# Altium PCB 测试样板PCB.PcbDoc (part 1 of 5)
Units mil, origin at the board's own origin, x right, y up, seen from the top; angles counter-clockwise.
Board outline 3248.03 x 2802.03 mil, 2 copper layers (Top Layer, Bottom Layer); 76 components, 64 nets, 349 pads, 97 vias.
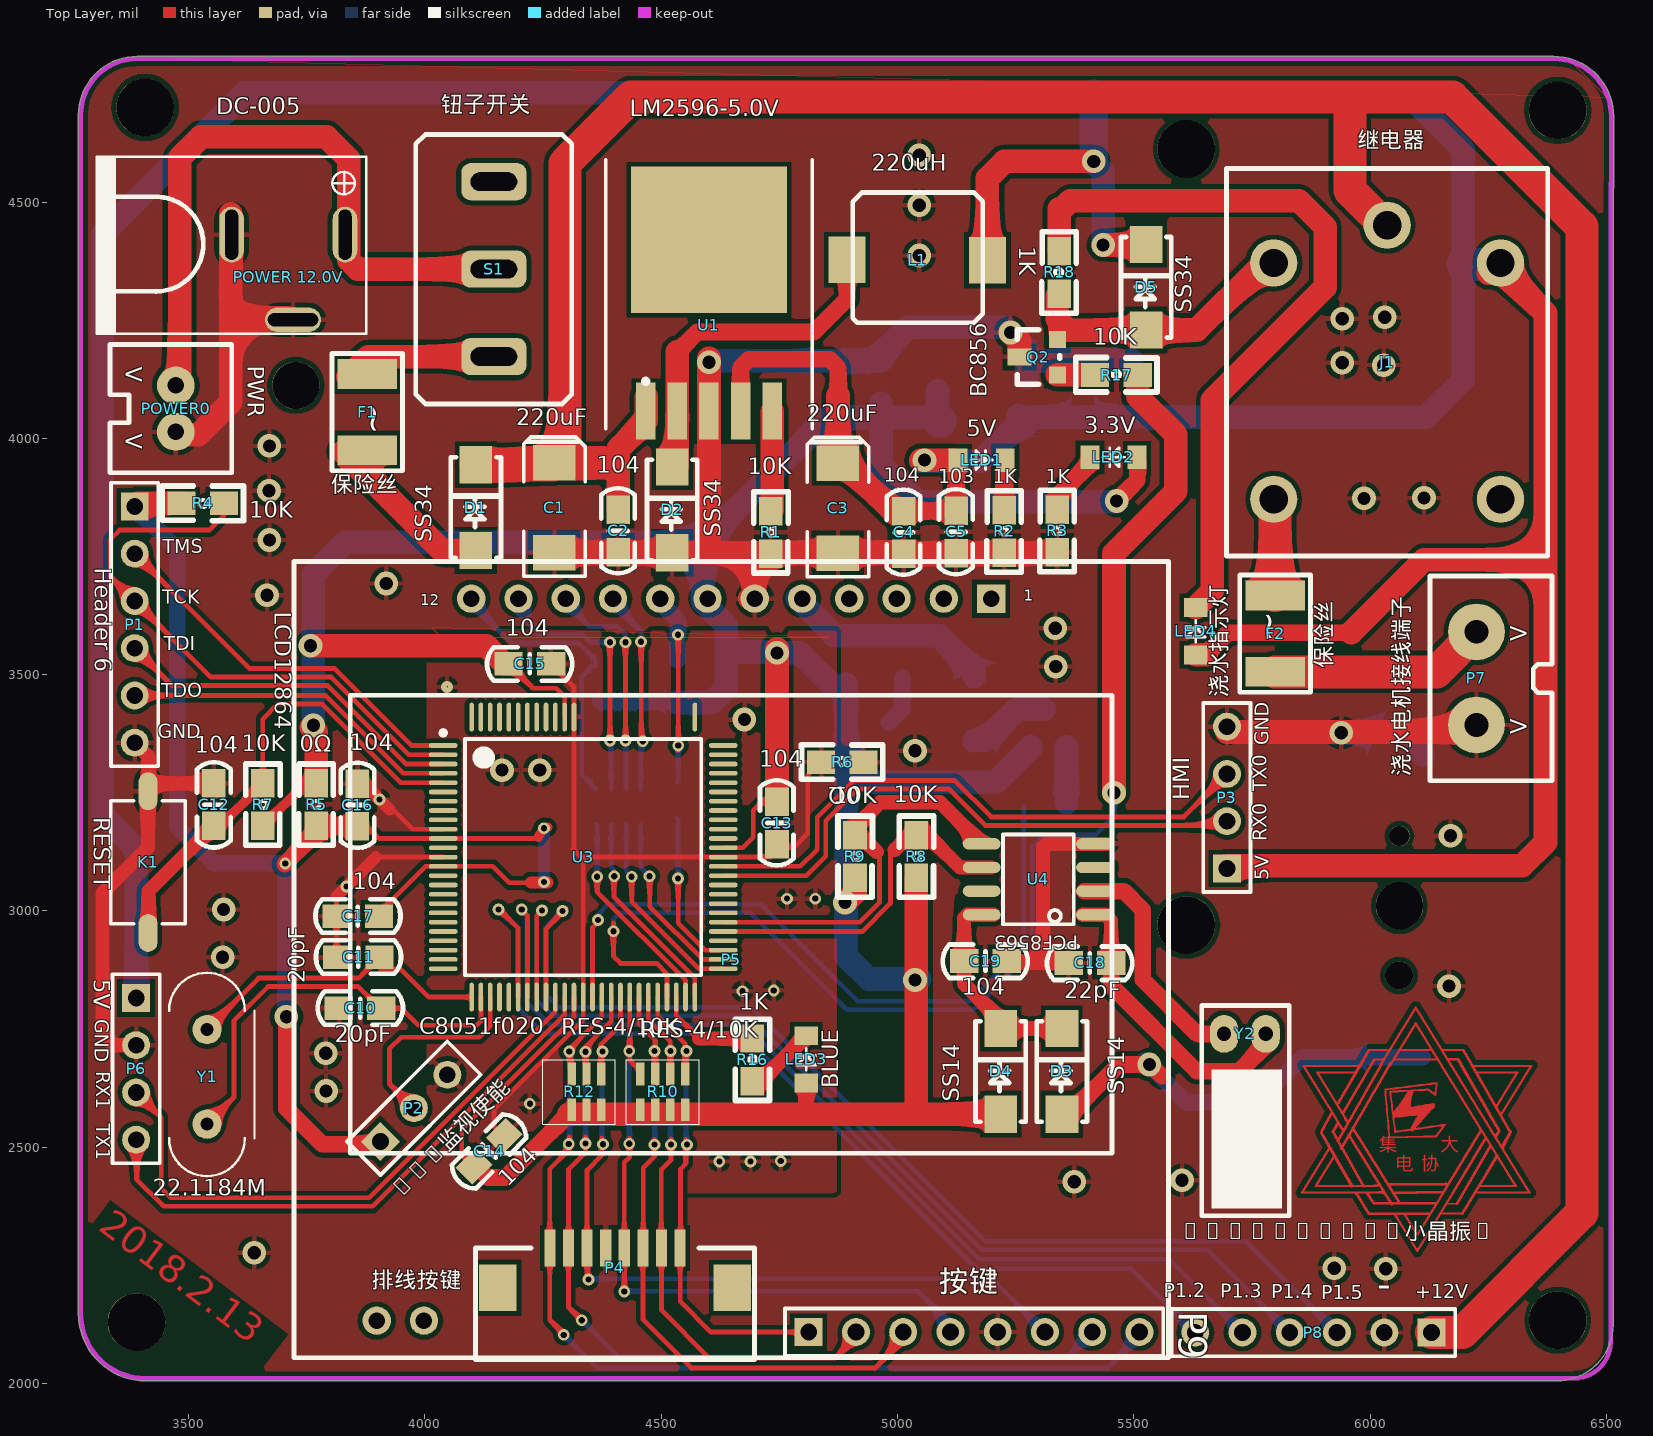
[diagram p0: Top Layer view]
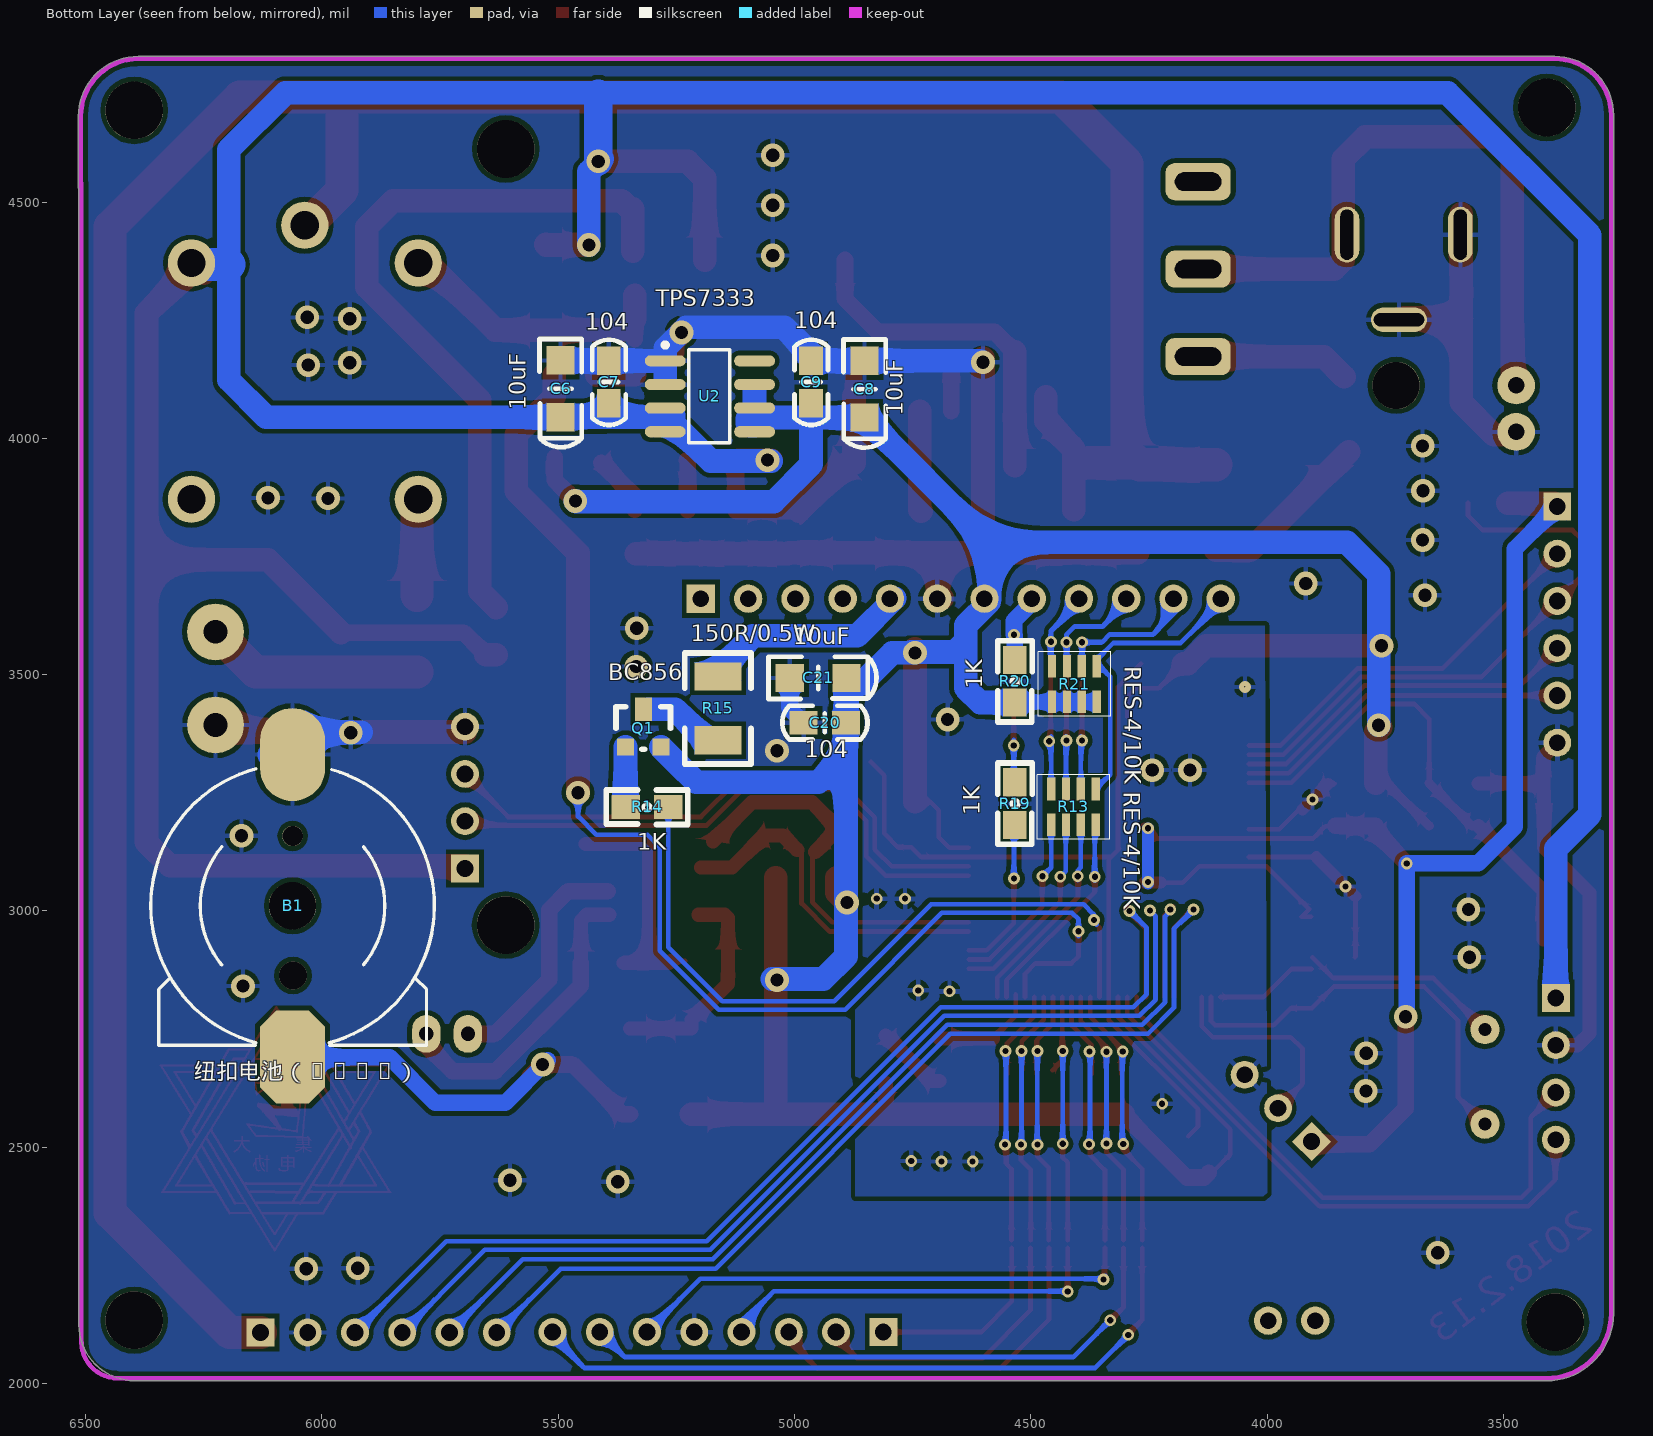
[diagram p1: Bottom Layer view, seen from below]
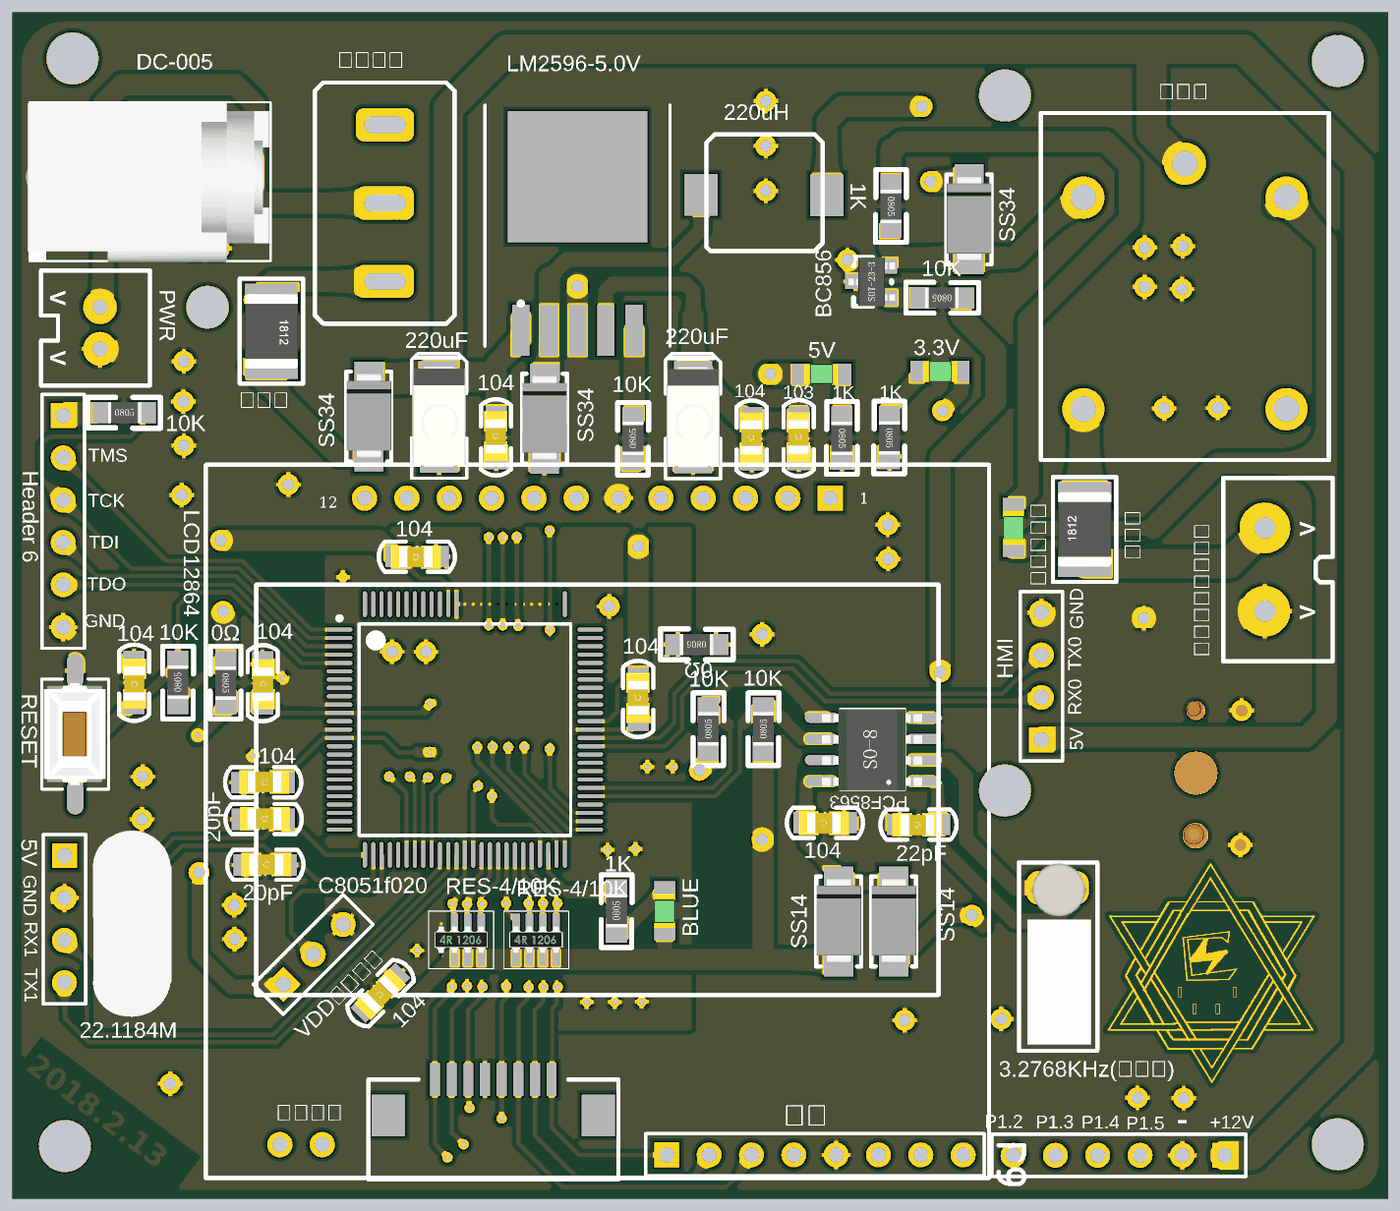
[diagram p6: 3D render of the assembled board from above, using the file's embedded part models]
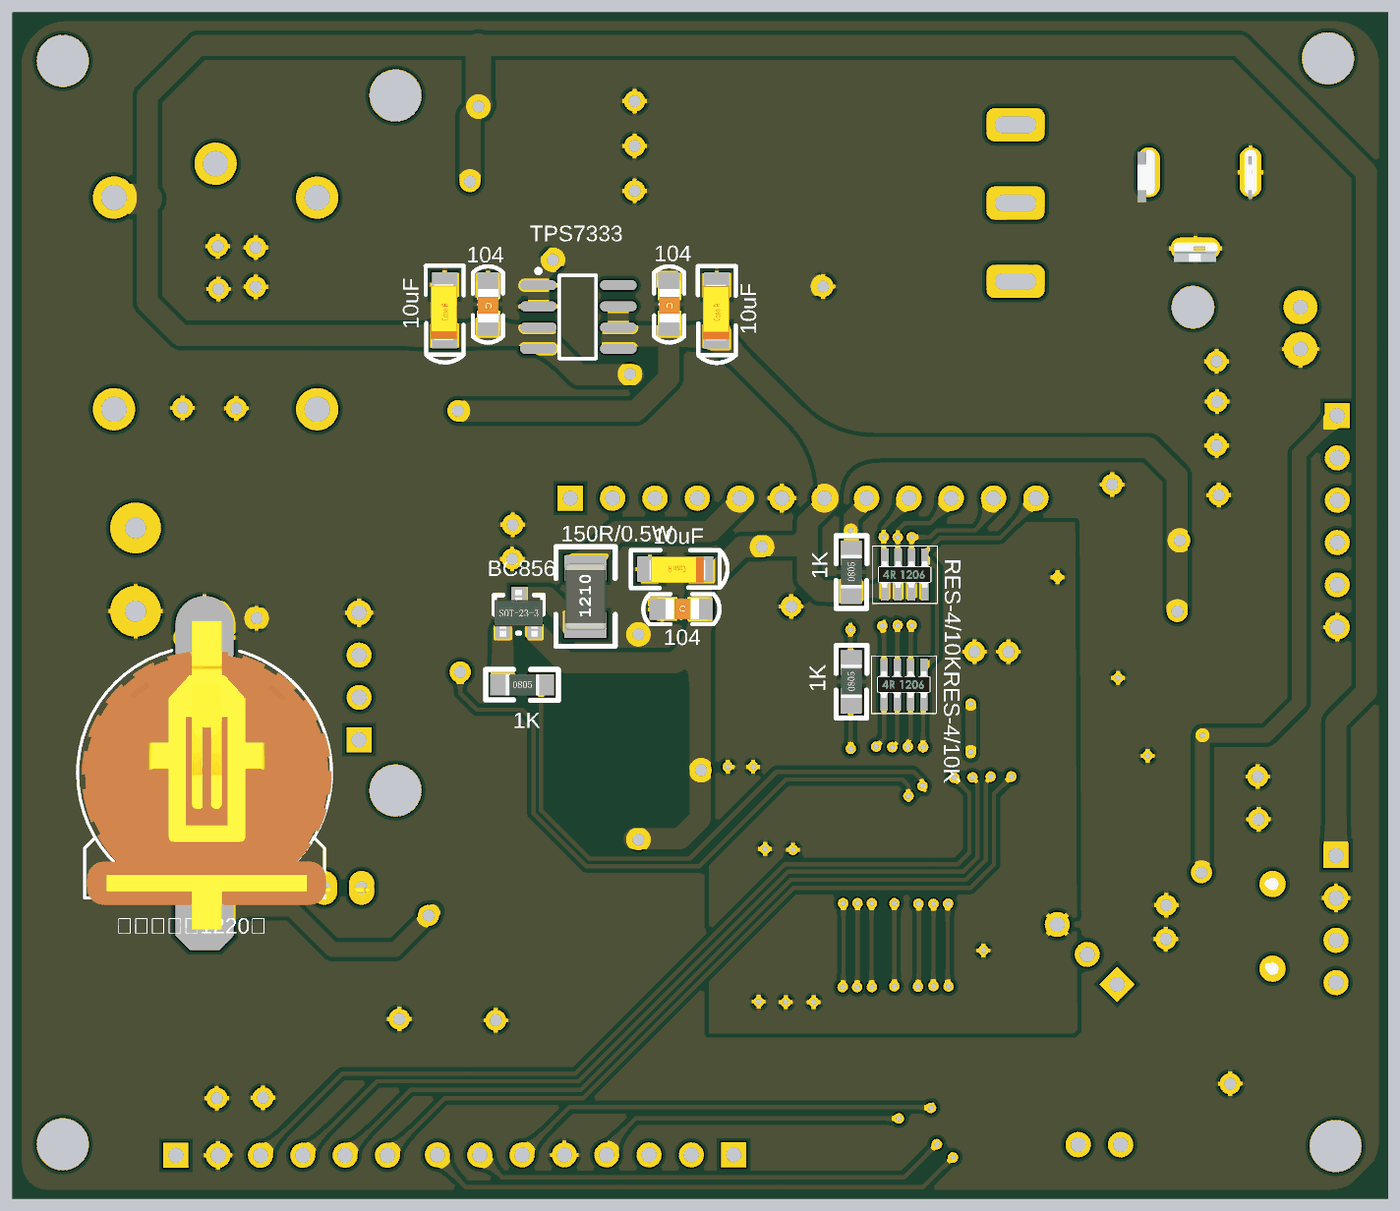
[diagram p7: 3D render of the assembled board from below, using the file's embedded part models]

## Layer stack, top to bottom
Top Solder: solder mask 0.4, Solder Resist, Dk 3.5
Top Layer: signal copper 1.4
Dielectric 1: dielectric 12.6, FR-4, Dk 4.8
Bottom Layer: signal copper 1.4
Bottom Solder: solder mask 0.4, Solder Resist, Dk 3.5

## Board outline
3266.99,2148 ccw(c3409,2148) 3409,2005.98 6395.73,2005.98 ccw(c6395.73,2011) 6395.76,2005.99 ccw(c6395.73,2124.27) 6514.02,2124.27 ccw(c6509,2124.27) 6514.02,2124.27 ccw(c6509,2124.27) 6514.02,2124.27 6514.02,4526.99 ccw(c6510,4530) 6515.02,4530 6515.02,4682 ccw(c6389,4682) 6389,4808.02 3391,4808.02 ccw(c3391,4684) 3266.99,4684

## Design rules (kind name [scope] priority, off if disabled: settings)
Clearance [All] p1: gap=8
ComponentClearance [All] p1: gap=0 collisioncheckmode=3 verticalgap=0 showdistances=FALSE
PolygonConnect [All] p1: connectstyle=Relief reliefconductorwidth=10 reliefentries=4 polygonreliefangle="90 Angle" airgapwidth=10
RoutingVias [All] p1: holewidth=13 width=25 viastyle="Through Hole" minholewidth=13 minwidth=25 maxholewidth=25 maxwidth=50
SolderMaskExpansion [All] p1: expansion=4
Width [All] p1: maxlimit=70 minlimit=0.1 preferedwidth=10
29 further rules are at their usual default settings.

## Components (designator, comment, footprint, x,y, rotation, side; value= is the part's Value field where it differs from the comment)
B1 "纽扣电池（1220）" CR1220 6052,3011 r90 bottom
C1 "220uF" Cap1(100uF) 4274,3948 r90 top
C2 "104" 0805C 4409,3764 r90 top
C3 "220uF" Cap1(100uF) 4874,3947 r90 top
C4 "104" 0805C 5013,3761 r90 top
C5 "103" 0805C 5124,3762 r90 top
C6 "10uF" Cap122uF) 5495,4045 r270 bottom
C7 "104" 0805C 5393,4159 r270 bottom
C8 "10uF" Cap122uF) 4852,4044 r270 bottom
C9 "104" 0805C 4965,4159 r270 bottom
C10 "20pF" 0805C 3823,2794 r0 top
C11 "20pF" 0805C 3819,2902 r0 top
C12 "104" 0805C 3553,3265 r270 top
C13 "104" 0805C 4745,3146 r90 top
C14 "104" 0805C 4164,2520 r225 top
C15 "104" 0805C 4262,3523 r180 top
C16 "104" 0805C 3857,3264 r270 top
C17 "104" 0805C 3818,2989 r0 top
C18 "22pF" 0805C 5447,2890 r180 top
C19 "104" 0805C 5226,2894 r180 top
C20 "104" 0805C 4976,3398 r180 bottom
C21 "10uF" Cap122uF) 4890,3493 r180 bottom
D1 "SS34" SS14 4109,3770 r90 top
D2 "SS34" SS14 4524,3765 r90 top
D3 "SS14" SS14 5349,2577 r90 top
D4 "SS14" SS14 5219,2577 r90 top
D5 "SS34" SS14 5527,4236 r90 top
F1 "保险丝" 1812 3878,4141 r270 top
F2 "保险丝" 1812 5799,3501 r90 top
J1 "继电器" 继电器 6051,4186 r0 top
K1 "RESET" 贴片按键 3417,2959 r90 top
L1 "220uH" "电感 220uh" 4895,4375 r0 top
LED1 "5V" 0805LED 5130,3956 r0 top
LED2 "3.3V" 0805LED 5505,3958 r180 top
LED3 "BLUE" 0805LED 4805,2638 r90 top
LED4 "浇水指示灯" 0805LED 5629,3544 r90 top
P1 "Header 6" HDR1X6 3386,3856 r270 top
P2 "VDD监视使能" HDR1X3 3906,2512 r45 top
P3 "HMI" HDR1X4 5697,3090 r90 top
P4 "排线按键" Key-8 4645,2202 r180 top
P5 "LCD12864" 12864 4578,2912 r0 top
P6 "5V" HDR1X4 3389,2816 r270 top
P7 "浇水电机接线端子" 接线端子 6120,3272 r90 top
P8 "" HDR1X6 6130,2108 r180 top
P9 "按键" HDR1X8 4812,2109 r0 top
POWER0 "PWR" 接线端子(小)-2PIN 3473,4112 r270 top
"POWER 12.0V" "DC-005" DC-005 3836,4426 r180 top
Q1 "BC856" SOT-23 5355,3352 r180 bottom
Q2 "BC856" SOT-23 5333,4137 r90 top
R1 "10K" 0805R 4732,3801 r90 top
R2 "1K" 0805R 5226,3803 r270 top
R3 "1K" 0805R 5338,3804 r270 top
R4 "10K" 0805R 3530,3863 r0 top
R5 "0Ω" 0805R 3770,3225 r270 top
R6 "0Ω" 0805R 4883,3315 r180 top
R7 "10K" 0805R 3657,3225 r90 top
R8 "10K" 0805R 5040,3115 r90 top
R9 "10K" 0805R 4910,3115 r90 top
R10 "RES-4/10K" 排阻(4位贴片)#1 4550,2653 r270 top
R12 "RES-4/10K" 排阻(4位贴片)#2 4373,2653 r270 top
R13 "RES-4/10K" 排阻(4位贴片)#1 4363,3256 r270 bottom
R14 "1K" 0805R 5312,3220 r180 bottom
R15 "150R/0.5W" 1210R 5162,3361 r90 bottom
R16 "1K" 0805R 4693,2685 r90 top
R17 "10K" 0805R 5463,4134 r180 top
R18 "1K" 0805R 5342,4351 r270 top
R19 "1K" 0805R 4534,3227 r90 bottom
R20 "1K" 0805R 4534,3486 r90 bottom
R21 "RES-4/10K" 排阻(4位贴片)#1 4361,3516 r270 bottom
S1 "钮子开关" 钮子开关(大) 4145,4177 r90 top
U1 "LM2596-5.0V" TO-263-5 4471,4057 r0 top
U2 "TPS7333" SO-8 5272,4163 r180 bottom
U3 "C8051f020" LQFP100 4335,3114 r0 top
U4 "PCF8563" PCF8563 5418,2993 r180 top
Y1 "22.1184M" 22M(晶振) 3539,2549 r90 top
Y2 "3.2768KHz(小晶振)" XTAL 5752,2744 r0 top

## Footprints (in the part's own frame and the unit in brackets; to place one, negate y for a bottom-side part, rotate by r counter-clockwise, add the part's x,y. Pads: shape width x height; smd on the part's side, far side on the other; paste and mask are expansions set on the pad)
22M(晶振) [mil]
  round 62 hole 28: 1(0,0) 2(200,0)
  silkscreen extent -110,-100 320,100, body extent -114,-102 326,82, height 143
0805C [mil]
  rect 60x50 smd: 1(-5,0) 2(85,0)
  silkscreen extent -50,-35 131,36, body extent -16,-26 102,29, height 37
0805LED [mil]
  rect 40x50 smd: 1(-2,-2) 2(98,-2)
  silkscreen extent 25,-22 71,18, body extent 7,-27 87,23, height 43
0805R [mil]
  rect 60x50 smd: 1(-45,0) 2(45,0)
  silkscreen extent -86,-37 86,36, body extent -38,-25 40,25, height 22
1210R [mil]
  rect 60x100 smd: 1(0,0) 2(135,0)
  silkscreen extent -50,-70 185,70, body extent -12,-49 146,49, height 67
1812 [mm]
  rect 1.6x3.2 smd: 1(0.127,0) 2(4.227,0)
  silkscreen extent -0.97,-1.9 5.33,1.9, body extent -0.07,-1.6 4.43,1.6, height 1.6
12864 [mil]
  rect 60x60 hole 35: 1(620,748.78)
  round 60 hole 35: 2(520,748.78) 3(420,748.78) 4(320,748.78) 5(220,748.78) 6(120,748.78) 7(20,748.78) 8(-80,748.78) 9(-180,748.78) 10(-280,748.78) 11(-380,748.78) 12(-480,748.78) 13(-680,-778.78) 14(-580,-778.78)
  round 0 all layers, no hole: 15(720,-778.78) 16(820,-778.78)
  silkscreen extent -855,-858 995,828
Cap1(100uF) [mil]
  rect 75x90 smd: 1(0,0) 2(-190,0)
  silkscreen extent -240,-65 55,65, body extent -213,-63 23,63, height 102
Cap122uF) [mil]
  rect 60x60 smd: 1(0,0) 2(-120,0)
  silkscreen extent -165,-45 64,45, body extent -122,-33 12,30, height 65
CR1220 [mm]
  round 1.5 hole 1.5: 0(-3.75,0.229)
  round 2.54 hole 2.54: 0(0,0.254)
  round 1.1 hole 1.1: 0(3.75,0.254)
  oct 5x3.5 smd: 1(-8.128,0.254)
  oval 5x3.5 smd: 2(8.128,0.254)
  silkscreen extent -7.5,-7.37 7.36,7.87, body extent -9.38,-7.38 9.12,7.62, height 4.19
DC-005 [mil]
  oval 52x118.11 hole 27.56 slot 106.3 at 90 deg: 1(5,-5) 2(245,-5)
  oval 118.11x52 hole 27.56 slot 106.3 at 0 deg: 3(115,175)
  silkscreen extent -40,-170 530,205, body extent -36,-168 538,207, height 430
HDR1X3 [mm] "Connector; Header; 3 Position"
  rect 1.5x1.5 hole 0.9: 1(0,0)
  round 1.5 hole 0.9: 2(2.54,0) 3(5.08,0)
  silkscreen extent -1.27,-1.27 6.35,1.27
HDR1X4 [mm] "Connector; Header; 4 Position"
  rect 1.5x1.5 hole 0.9: 1(0,0)
  round 1.5 hole 0.9: 2(2.54,0) 3(5.08,0) 4(7.62,0)
  silkscreen extent -1.27,-1.27 8.89,1.27
HDR1X6 [mm] "Connector; Header; 6 Position"
  rect 1.5x1.5 hole 0.9: 1(0,0)
  round 1.5 hole 0.9: 2(2.54,0) 3(5.08,0) 4(7.62,0) 5(10.16,0) 6(12.7,0)
  silkscreen extent -1.27,-1.27 13.97,1.27
HDR1X8 [mm] "Connector; Header; 8 Position"
  rect 1.5x1.5 hole 0.9: 1(0,0)
  round 1.5 hole 0.9: 2(2.54,0) 3(5.08,0) 4(7.62,0) 5(10.16,0) 6(12.7,0) 7(15.24,0) 8(17.78,0)
  silkscreen extent -1.27,-1.27 19.05,1.27
Key-8 [mm]
  rect 2x2.5 smd: 0(-0.133,-0.009) 0(12.467,-0.009)
  rect 0.6x2 smd: 1(2.667,-2.159) 2(3.667,-2.159) 3(4.667,-2.159) 4(5.667,-2.159) 5(6.667,-2.159) 6(7.667,-2.159) 7(8.667,-2.159) 8(9.667,-2.159)
  silkscreen extent -1.33,-2.16 13.67,3.84
LQFP100 [mm]
  oval 1.55x0.25 smd: 1(-7.525,6) 2(-7.525,5.5) 3(-7.525,5) 4(-7.525,4.5) 5(-7.525,4) 6(-7.525,3.5) 7(-7.525,3) 8(-7.525,2.5) 9(-7.525,2) 10(-7.525,1.5) 11(-7.525,1) 13(-7.525,0) 14(-7.525,-0.5) 15(-7.525,-1) 16(-7.525,-1.5) 17(-7.525,-2) 18(-7.525,-2.5) 19(-7.525,-3) 20(-7.525,-3.5) 21(-7.525,-4) 22(-7.525,-4.5) 23(-7.525,-5) 24(-7.525,-5.5) 25(-7.525,-6) 51(7.525,-6) 52(7.525,-5.5) 53(7.525,-5) 54(7.525,-4.5) 55(7.525,-4) 56(7.525,-3.5) 57(7.525,-3) 58(7.525,-2.5) 59(7.525,-2) 60(7.525,-1.5) 61(7.525,-1) 62(7.525,-0.5) 63(7.525,0) 64(7.525,0.5) 65(7.525,1) 66(7.525,1.5) 67(7.525,2) 68(7.525,2.5) 69(7.525,3) 70(7.525,3.5) 71(7.525,4) 72(7.525,4.5) 73(7.525,5) 74(7.525,5.5) 75(7.525,6)